# Altium PCB cPCIs_controller.pcbdoc (part 2 of 4)
Units mil, origin at the board's own origin, x right, y up, seen from the top; angles counter-clockwise.
Board outline 8662.94 x 3937.01 mil, 12 copper layers (Top Layer, L2GND, L3, L4GND, L5, L6GND, L7PWR, L8, L9GND, L10, L11GND, Bottom Layer), stack 81.88 mil thick; 84 components, 277 nets, 1195 pads, 138 vias.
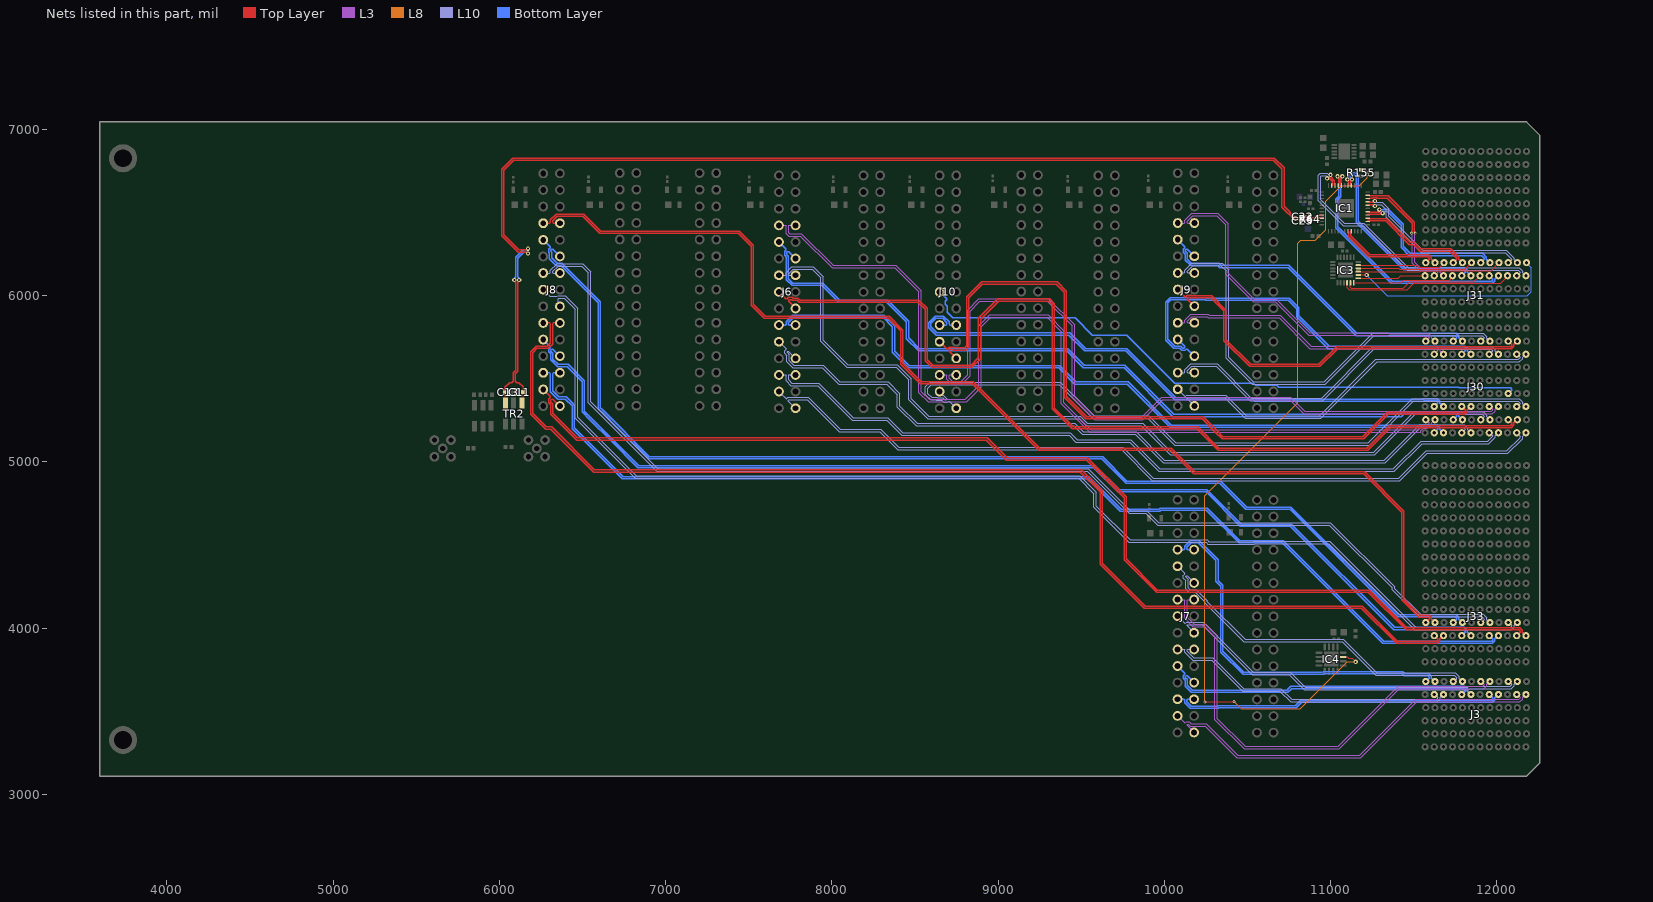
[diagram p12: the nets of this part, all layers, seen from the top]

## Part data
C1: library part CC0402_470NF_16V_10%_X5R, "Non-polarised capacitor", Case=0402, Manufacturer=GENERIC, Manufacturer1 ComponentHeight=0.55mm, Manufacturer1 Example=TDK, Manufacturer1 Part Number=C1005X5R1C105KT, Tolerance=±10%, Voltage=16V, Author="CERN DEM JLC", Component Type=Standard, CreateDate=25.10.2012, HelpURL=\\cern.ch\dfs\Applications\Altium\Datasheets\CC0402_X5R_TDK_C.pdf, LatestRevisionDate=25.10.2012, Manufacturer Part Number=CC0402_470NF_16V_10%_X5R, Mounted=Yes, Part Description="SMD Multilayer Chip Ceramic Capacitor", Part Number=CC0402_470NF_16V_10%_X5R, Pin Count=2, Sense=No, SMD=Yes, Socket=No, Status=Preferred, TC=X5R
C2: library part CC0603_4.7UF_16V_10%_X5R, "Non-polarised capacitor", Case=0603, Manufacturer=GENERIC, Manufacturer1 ComponentHeight=0.95mm, Manufacturer1 Example="TAIYO YUDEN", Manufacturer1 Part Number=EMK107ABJ475KA-T, Tolerance=±10%, Voltage=16V, Author="CERN DEM JLC", Component Type=Standard, CreateDate=16.12.2013, HelpURL=\\cern.ch\dfs\Applications\Altium\Datasheets\CC0603_X7R_TAIYO-YUDEN_HIGH-VALUE.pdf, LatestRevisionDate=16.09.2014, Manufacturer Part Number=CC0603_4.7UF_16V_10%_X5R, Mounted=Yes, Part Description="SMD Multilayer Chip Ceramic Capacitor", Part Number=CC0603_4.7UF_16V_10%_X5R, Pin Count=2, Sense=No, SMD=Yes, Socket=No, Status=None, TC=X5R
C3: library part CC0603_10UF_10V_10%_X5R, "Non-polarised capacitor", Case=0603, Manufacturer=GENERIC, Manufacturer1 ComponentHeight=0.8mm, Manufacturer1 Example=MURATA, Manufacturer1 Part Number=GRM188R61A106KE69D, Tolerance=±10%, Voltage=10V, Author="CERN DEM JLC", Component Type=Standard, CreateDate=31.01.2017, HelpURL=\\cern.ch\dfs\Applications\Altium\Datasheets\CC0603_MURATA_GRM188R61A106KE69D.pdf, LatestRevisionDate=31.01.2017, Manufacturer Part Number=CC0603_10UF_10V_10%_X5R, Mounted=Yes, Part Description="SMD Multilayer Chip Ceramic Capacitor", Part Number=CC0603_10UF_10V_10%_X5R, Pin Count=2, Sense=No, SMD=Yes, Socket=No, Status=None, TC=X5R
C4 C6 C14 C21 C22 C23 C30 C31 C32 C33 C34 C35 C36 C37 C39 C40 C41 C42 C55 C238 C239: library part CC0201_100NF_6.3V_10%_X5R, "Non-polarised capacitor", Case=0201, Manufacturer=GENERIC, Manufacturer1 ComponentHeight=0.33mm, Manufacturer1 Example=AVX, Manufacturer1 Part Number=02016D104KAT2A, Tolerance=±10%, Voltage=6.3V, Author="CERN DEM JLC", Component Type=Standard, HelpURL=\\cern.ch\dfs\Applications\Altium\Datasheets\CC0201_X5R_AVX.pdf, Manufacturer Part Number=CC0201_100NF_6.3V_10%_X5R, Mounted=Yes, Part Description="SMD Multilayer Chip Ceramic Capacitor", Part Number=CC0201_100NF_6.3V_10%_X5R, Pin Count=2, Sense=No, SMD=Yes, Socket=No, Status="Not Recommended", TC=X5R
  C4 C6 C14 C21 C22 C23 C55 C238 C239: CreateDate=03.12.2007, LatestRevisionDate=03.12.2007
  C30 C31 C32 C33 C34 C35 C36 C37 C39 C40 C41 C42: CreateDate=2007-12-03, LatestRevisionDate=2007-12-03
C5 C7 C62: library part CC0603_1UF_25V_10%_X7R, "Non-polarised capacitor", Case=0603, Manufacturer=GENERIC, Manufacturer1 ComponentHeight=0.9mm, Manufacturer1 Example=MURATA, Manufacturer1 Part Number=GRM188R71E105KA12D, Tolerance=±10%, Voltage=25V, Author="CERN DEM JLC", Component Type=Standard, CreateDate=18.01.2011, HelpURL=\\cern.ch\dfs\Applications\Altium\Datasheets\CC0603_X7R_MURATA.pdf, LatestRevisionDate=18.01.2011, Manufacturer Part Number=CC0603_1UF_25V_10%_X7R, Mounted=Yes, Part Description="SMD Multilayer Chip Ceramic Capacitor", Part Number=CC0603_1UF_25V_10%_X7R, Pin Count=2, Sense=No, SMD=Yes, Socket=No, Status=None, TC=X7R
C8 C10 C11 C13: library part CC0402_0.5PF_25V_0.05PF_AVX_04023J0R5ABSTR, "Non-polarised capacitor", Case=0402, Manufacturer=AVX, Manufacturer Part Number=04023J0R5ABSTR, Tolerance=±0.05pF, Voltage=25V, Author="CERN DEM JLC", Component Type=Standard, ComponentHeight=0.5mm, CreateDate=2017-02-22, HelpURL=\\cern.ch\dfs\Applications\Altium\Datasheets\CC0402_AVX_ACCU-P.pdf, LatestRevisionDate=2017-02-22, Mounted=Yes, Part Description="Thin-Film Chip Capacitors for RF Signal and Power Applications, Accu-P Series", Part Number=CC0402_0.5PF_25V_0.05PF_AVX_04023J0R5ABSTR, Pin Count=2, Sense=No, SMD=Yes, Socket=No, Status=None
C9 C12: library part CC0402_100NF_16V_10%_X5R, "Non-polarised capacitor", Case=0402, Manufacturer=GENERIC, Manufacturer1 ComponentHeight=0.55mm, Manufacturer1 Example=MURATA, Manufacturer1 Part Number=GRM155R61C104KA88D, Tolerance=±10%, Voltage=16V, Author="CERN DEM JLC", Component Type=Standard, CreateDate=10.12.2013, HelpURL=\\cern.ch\dfs\Applications\Altium\Datasheets\CC0402_X5R_MURATA_GRM.pdf, LatestRevisionDate=10.12.2013, Manufacturer Part Number=CC0402_100NF_16V_10%_X5R, Mounted=Yes, Part Description="SMD Multilayer Chip Ceramic Capacitor", Part Number=CC0402_100NF_16V_10%_X5R, Pin Count=2, Sense=No, SMD=Yes, Socket=No, Status=None, TC=X5R
C240: library part CC0402_100PF_50V_5%_C0G, "Non-polarised capacitor", Case=0402, Manufacturer=GENERIC, Manufacturer1 ComponentHeight=0.55mm, Manufacturer1 Example=KEMET, Manufacturer1 Part Number=C0402C101J5GACTU, Tolerance=±5%, Voltage=50V, Author="CERN DEM JLC", Component Type=Standard, CreateDate=03.12.2007, HelpURL="\\cern.ch\dfs\Applications\Altium\Datasheets\CC0805_C0G_KEMET_(Commercial Grade).pdf", LatestRevisionDate=22.04.2015, Manufacturer Part Number=CC0402_100PF_50V_5%_C0G, Mounted=Yes, Part Description="SMD Multilayer Chip Ceramic Capacitor", Part Number=CC0402_100PF_50V_5%_C0G, Pin Count=2, Sense=No, SMD=Yes, Socket=No, Status=Preferred, TC=C0G/NP0
D3 D4 D5 D6 D7 D8 D9 D10 D11 D12 D13 D14: "Ultra Low Capacitance Double Rail-to-Rail ESD Protection Diode", Case=SOT143B, Manufacturer="NXP SEMICONDUCTORS", Voltage=5.5V, Author="CERN DEM JLC", Bonding=No, ComponentHeight=1.1mm, Component Type=Standard, CreateDate=22.03.2011, Device=PRTR5V0U2X, HelpURL=\\cern.ch\dfs\Applications\Altium\Datasheets\PRTR5V0U2X.pdf, LatestRevisionDate=22.03.2011, Manufacturer Part Number=PRTR5V0U2X, Mounted=Yes, PackageDescription="SOT143B, SOT, 1.90mm Pitch; 4 Pin, 1.30mm W X 2.90mm L X 1.10mm H body, IPC Medium Density", Part Description="Ultra Low Capacitance (1pF) Double Rail-to-Rail ESD Protection Diode (8kV)", Part Number=PRTR5V0U2X, Pin Count=4, PressFit=No, Sense=No, SMD=Yes, Socket=No
IC1: library part CMP-0510-00356-1, "1:10 Low Jitter Universal Buffer / Level Translator with 2:1 Input Mux, 1 to 1250 MHz, -40 to 85 degC, 44-pin QFN", Frequency (MHz)="1 to 1250", Manufacturer="Silicon Labs", Code_IPC=J-STD-020, Code_JEDEC=MO-220, ComponentLink1Description="Manufacturer URL", ComponentLink1URL=http://www.silabs.com/, ComponentLink2Description=Datasheet, ComponentLink2URL=http://www.silabs.com/Support%20Documents/TechnicalDocs/Si53312.pdf, ComponentLink3Description="Package Specification", ComponentLink3URL=http://www.silabs.com/Support%20Documents/TechnicalDocs/Si53302.pdf, DatasheetVersion="Rev. 0.4", Mounting Technology="Surface Mount", Output Format="LVPECL; LVDS; CML; HCSL; LVCMOS", PackageDescription="44-Pin Quad-Flat No-Leads Package, Body 7 x 7 mm, Pitch 0.5 mm", PackageReference=QFN-44, PartNumber=Si53312-B-GM, Sub-Family="Clock Buffers"
IC2: "20V, 500mA, Ultralow Noise, Ultrahigh PSRR Linear Regulator", Case=SON10, Manufacturer="LINEAR TECHNOLOGY", Author="CERN DEM JLC", Bonding=No, Component Type=Standard, ComponentHeight=0.8mm, CreateDate=07.12.2016, Device=LT3045EDD#PBF, HelpURL=\\cern.ch\dfs\Applications\Altium\Datasheets\LT3045EDD#PBF.pdf, LatestRevisionDate=07.12.2016, Manufacturer Part Number=LT3045EDD#PBF, Mounted=Yes, PackageDescription="SON, 0.50mm Pitch; 10-pin, 3.00mm W  X 3.00mm L X 0.80mm H Body, (w/thermal tab 1.75 X 2.48 mm), IPC Medium Density", Part Description="20V, 500mA, Ultralow Noise, Ultrahigh PSRR Linear Regulator", Part Number=LT3045EDD#PBF, Pin Count=11, PressFit=No, Sense=No, SMD=Yes, Socket=No
IC3: "Low-Voltage 16-Bit I2C-bus I/O Port With Interrupt and Weak Pull-Up", Case=QFN24, Manufacturer="NXP SEMICONDUCTORS", Author="CERN DEM BC", Bonding=No, Component Type=Standard, ComponentHeight=0.8mm, CreateDate=24.07.2015, Device=PCA9555AHF, HelpURL=\\cern.ch\dfs\Applications\Altium\Datasheets\PCA9555AHF.pdf, LatestRevisionDate=24.07.2015, Manufacturer Part Number=PCA9555AHF, Mounted=Yes, PackageDescription="QFN, 0.50mm Pitch, Square; 24 Pin, 4.00mm L X 4.00mm W X 0.80mm H body (w/Thermal Tab 2.25 X 2.25mm), IPC Medium Density", Part Description="Low-Voltage 16-Bit I2C-bus I/O Port With Interrupt and Weak Pull-Up", Part Number=PCA9555AHF, Pin Count=25, PressFit=No, Sense=No, SMD=Yes, Socket=No
IC4: "8-Bit I2C-bus and SMBus I/O Port with Reset", Case=QFN16, Manufacturer="NXP SEMICONDUCTORS", Author="CERN DEM JMW", Bonding=No, Component Type=Standard, ComponentHeight=1mm, CreateDate=22.09.2015, Device=PCA9557BS, HelpURL=\\cern.ch\dfs\Applications\Altium\Datasheets\PCA9557BS.pdf, LatestRevisionDate=22.09.2015, Manufacturer Part Number=PCA9557BS, Mounted=Yes, PackageDescription="QFN, 0.65mm Pitch, Square; 16 Pin, 4.00mm L X 4.00mm W X 1.00mm H body (w/Thermal Tab 2.25 X 2.25mm), IPC Medium Density", Part Description="8-Bit I2C-bus and SMBus I/O Port with Reset", Part Number=PCA9557BS, Pin Count=17, PressFit=No, Sense=No, SMD=Yes, Socket=No
J1 J2: library part HUBER-SUHNER_85_MMCX-50-0-1/111_OE, Manufacturer=HUBER+SUHNER, Manufacturer Part Number=85_MMCX-50-0-1/111_OE, Author="CERN DEM JLC", Component Type=Standard, ComponentHeight=9.6mm, CreateDate=06.11.2014, Family=MMCX, HelpURL=\\cern.ch\dfs\Applications\Altium\Datasheets\HUBER-SUHNER_85_MMCX-50-0-1-111_OE.pdf, LatestRevisionDate=06.11.2014, Mounted=Yes, Part Description="MMCX 50 Ohms Right Angle PCB Jack", Part Number=HUBER-SUHNER_85_MMCX-50-0-1/111_OE, Pin Count=2, PressFit=No, Sense=No, SMD=No, Socket=No, Status=None
J3: library part AMPHENOL_10052825-101LF, "72 Contacts Header, 6 Columns, 4 Pairs per Column", Manufacturer=AMPHENOL, Manufacturer Part Number=10052825-101LF, Author="CERN DEM MR", ClassName=Overlapping, ComponentHeight=15.35mm, ComponentLink1Description=Application, ComponentLink1URL=\\cern.ch\dfs\Applications\Altium\Datasheets\AMPHENOL_10052825-101LF_Application.pdf, Component Type=Standard, CreateDate=19/02/2018, Family="AirMax VS", HelpURL=\\cern.ch\dfs\Applications\Altium\Datasheets\AMPHENOL_10052825-101LF.pdf, LatestRevisionDate=19/02/2018, Mounted=Yes, Part Description="72 Contacts, 2mm Pitch, 6 Columns, 4 Pairs per Column, 4 Walls, Right Angle Header", Part Number=AMPHENOL_10052825-101LF, Pin Count=72, PressFit=Yes, Sense=No, SMD=No, Socket=No, Status=None
J5: library part AMPHENOL_10052838-101LF, "96 Contacts Header, 8 Columns, 4 Pairs per Column", Manufacturer=AMPHENOL, Manufacturer Part Number=10052838-101LF, Author="CERN DEM MR", ClassName=Overlapping, ComponentHeight=15.35mm, ComponentLink1Description=Application, ComponentLink1URL=\\cern.ch\dfs\Applications\Altium\Datasheets\AMPHENOL_10052838-101LF_Application.pdf, Component Type=Standard, CreateDate=19/02/2018, Family="AirMax VS", HelpURL=\\cern.ch\dfs\Applications\Altium\Datasheets\AMPHENOL_10052838-101LF.pdf, LatestRevisionDate=19/02/2018, Mounted=Yes, Part Description="96 Contacts, 2mm Pitch, 8 Columns, 4 Pairs per Column, 4 Walls, Right Angle Header", Part Number=AMPHENOL_10052838-101LF, Pin Count=96, PressFit=Yes, Sense=No, SMD=No, Socket=No, Status=None
J6 J7 J8 J9 J10 J11 J12 J13 J14 J15 J16 J17: "Connector 2.54mm, 30 pin female, vertical, 7mm, AMPMODU HV-100/HV-190", Manufacturer="TYCO ELECTRONICS", Manufacturer Part Number=1-215307-5, Part Number=TYCO_1-215307-5, Author=GK, ComponentHeight=22.86mm, Component Type=Standard, CreateDate=05.10.2015, Family=AMPMODU, HelpURL=\\cern.ch\dfs\Applications\Altium\Datasheets\TYCO_3-1761606-1.pdf, LatestRevisionDate=05.10.2015, Mounted=Yes, Part Description="34 Contacts, Dual Row Vertical Low Profile IDC Shrouded Header, with Long Eject Latch", Pin Count=30, PressFit=No, Sense=No, SMD=No, Socket=No, Status=None
J29 J30 J33: library part AMPHENOL_10052837-101LF, "96 Contacts Header, 8 Columns, 4 Pairs per Column", Manufacturer=AMPHENOL, Manufacturer Part Number=10052837-101LF, Author="CERN DEM MR", ComponentHeight=15.35mm, ComponentLink1Description=Application, ComponentLink1URL=\\cern.ch\dfs\Applications\Altium\Datasheets\AMPHENOL_10052837-101LF_Application.pdf, Component Type=Standard, CreateDate=19/02/2018, Family="AirMax VS", HelpURL=\\cern.ch\dfs\Applications\Altium\Datasheets\AMPHENOL_10052837-101LF.pdf, LatestRevisionDate=19/02/2018, Mounted=Yes, Part Description="96 Contacts, 2mm Pitch, 8 Columns, 4 Pairs per Column, 2 Walls, Right Angle Header", Part Number=AMPHENOL_10052837-101LF, Pin Count=96, PressFit=Yes, Sense=No, SMD=No, Socket=No, Status=None
J31: library part AMPHENOL_10052824-101LF, "72 Contacts Header, 6 Columns, 4 Pairs per Column", Manufacturer=AMPHENOL, Manufacturer Part Number=10052824-101LF, Author="CERN DEM JMW", ComponentHeight=15.35mm, ComponentLink1Description=Application, ComponentLink1URL=\\cern.ch\dfs\Applications\Altium\Datasheets\AMPHENOL_10052824-101LF_Application.pdf, Component Type=Standard, CreateDate=29/11/2017, Family="AirMax VS", HelpURL=\\cern.ch\dfs\Applications\Altium\Datasheets\AMPHENOL_10052824-101LF.pdf, LatestRevisionDate=29/11/2017, Mounted=Yes, Part Description="72 Contacts, 2mm Pitch, 6 Columns, 4 Pairs per Column, 2 Walls, Right Angle Header", Part Number=AMPHENOL_10052824-101LF, Pin Count=72, PressFit=Yes, Sense=No, SMD=No, Socket=No, Status=None
L20: library part IND0603_MURATA_BLM18PG121SN1D, "Inductor", Case=0603, Manufacturer=MURATA, Manufacturer Part Number=BLM18PG121SN1D, Power=2A, Resistance=0.05R, Author="CERN DEM BC", Component Type=Standard, ComponentHeight=0.95mm, CreateDate=2015-07-27, HelpURL=\\cern.ch\dfs\Applications\Altium\Datasheets\IND0603_MURATA_BLM18P.pdf, LatestRevisionDate=2015-07-27, Mounted=Yes, Part Description="SMD EMIFIL Chip Ferrite Bead", Part Number=IND0603_MURATA_BLM18PG121SN1D, Pin Count=2, Sense=No, SMD=Yes, Socket=No, Status=None
R1: library part R0603_18K_1%_0.1W_100PPM, "Resistor - 1%", Case=0603, Manufacturer=GENERIC, Manufacturer1 ComponentHeight=0.55mm, Manufacturer1 Example="NIC COMPONENT", Manufacturer1 Part Number=NRC06F1802TRF, Power=0.1W, Tolerance=±1%, Author="CERN DEM JLC", Component Type=Standard, CreateDate=03.12.2007, HelpURL=\\cern.ch\dfs\Applications\Altium\Datasheets\R0603_NIC_NRC.pdf, LatestRevisionDate=13.03.2008, Manufacturer Part Number=R0603_18K_1%_0.1W_100PPM, Mounted=Yes, Part Description="General Purpose Thick Film Chip Resistor", Part Number=R0603_18K_1%_0.1W_100PPM, Pin Count=2, PressFit=No, Sense=No, SMD=Yes, Socket=No, Status=Preferred, TC=±100ppm/°C
R2: library part R0402_1K_1%_0.0625W_100PPM, "Resistor - 1%", Case=0402, Manufacturer=GENERIC, Manufacturer1 ComponentHeight=0.4mm, Manufacturer1 Example="YAGEO PHYCOMP", Manufacturer1 Part Number=232270671002L, Power=0.0625W, Tolerance=±1%, Author="CERN DEM JLC", Component Type=Standard, CreateDate=03.12.2007, HelpURL=\\cern.ch\dfs\Applications\Altium\Datasheets\R0402_Phycomp_RC0402.pdf, LatestRevisionDate=17.10.2012, Manufacturer Part Number=R0402_1K_1%_0.0625W_100PPM, Mounted=Yes, Part Description="General Purpose Thick Film Chip Resistor", Part Number=R0402_1K_1%_0.0625W_100PPM, Pin Count=2, PressFit=No, Sense=No, SMD=Yes, Socket=No, Status="Not Recommended", TC=±100ppm/°C
R3 R65 R86: library part R0402_10K_1%_0.0625W_100PPM, "Resistor - 1%", Case=0402, Manufacturer=GENERIC, Manufacturer1 ComponentHeight=0.4mm, Manufacturer1 Example="YAGEO PHYCOMP", Manufacturer1 Part Number=232270671003L, Power=0.0625W, Tolerance=±1%, Author="CERN DEM JLC", Component Type=Standard, CreateDate=03.12.2007, HelpURL=\\cern.ch\dfs\Applications\Altium\Datasheets\R0402_Phycomp_RC0402.pdf, LatestRevisionDate=17.10.2012, Manufacturer Part Number=R0402_10K_1%_0.0625W_100PPM, Mounted=Yes, Part Description="General Purpose Thick Film Chip Resistor", Part Number=R0402_10K_1%_0.0625W_100PPM, Pin Count=2, Sense=No, SMD=Yes, Socket=No, Status="Not recommended", TC=±100ppm/°C
R6 R64: library part R0402_100R_1%_0.0625W_100PPM, "Resistor - 1%", Case=0402, Manufacturer=GENERIC, Manufacturer1 ComponentHeight=0.4mm, Manufacturer1 Example="YAGEO PHYCOMP", Manufacturer1 Part Number=232270671001L, Power=0.0625W, Tolerance=±1%, Author="CERN DEM JLC", Component Type=Standard, CreateDate=03.12.2007, HelpURL=\\cern.ch\dfs\Applications\Altium\Datasheets\R0402_Phycomp_RC0402.pdf, LatestRevisionDate=17.10.2012, Manufacturer Part Number=R0402_100R_1%_0.0625W_100PPM, Mounted=Yes, Part Description="General Purpose Thick Film Chip Resistor", Part Number=R0402_100R_1%_0.0625W_100PPM, Pin Count=2, PressFit=No, Sense=No, SMD=Yes, Socket=No, Status="Not Recommended", TC=±100ppm/°C
R66 R103: library part R0603_0R_JUMPER, "Resistor", Case=0603, Manufacturer=GENERIC, Manufacturer1 ComponentHeight=0.55mm, Manufacturer1 Example="NIC COMPONENT", Manufacturer1 Part Number=NRC06Z0, Author="CERN DEM JLC", Component Type=Standard, CreateDate=03.12.2007, HelpURL=\\cern.ch\dfs\Applications\Altium\Datasheets\R0603_NIC_NRC.pdf, LatestRevisionDate=13.03.2008, Manufacturer Part Number=R0603_0R_JUMPER, Mounted=Yes, Part Description="1A (0.05R Max DC Resistance) Zero Ohm Jumper", Part Number=R0603_0R_JUMPER, Pin Count=2, Sense=No, SMD=Yes, Socket=No, Status=Preferred
R154 R155: library part R0402_470R_1%_0.0625W_100PPM, "Resistor - 1%", Case=0402, Manufacturer=GENERIC, Manufacturer1 ComponentHeight=0.4mm, Manufacturer1 Example="YAGEO PHYCOMP", Manufacturer1 Part Number=232270674701L, Power=0.0625W, Tolerance=±1%, Author="CERN DEM JLC", Component Type=Standard, CreateDate=03.12.2007, HelpURL=\\cern.ch\dfs\Applications\Altium\Datasheets\R0402_Phycomp_RC0402.pdf, LatestRevisionDate=17.10.2012, Manufacturer Part Number=R0402_470R_1%_0.0625W_100PPM, Mounted=Yes, Part Description="General Purpose Thick Film Chip Resistor", Part Number=R0402_470R_1%_0.0625W_100PPM, Pin Count=2, PressFit=No, Sense=No, SMD=Yes, Socket=No, Status="Not Recommended", TC=±100ppm/°C
TR1 TR2: library part XFMR_MINI-CIRCUITS_TCM2-43X+, "50 OHMS 10 to 4000 MHz RF Transformer", Manufacturer=MINI-CIRCUITS, Manufacturer Part Number=TCM2-43X+, Power=0.4W, Author="CERN DEM BC", Component Type=Standard, ComponentHeight=4.06mm, CreateDate=2016-02-12, HelpURL=\\cern.ch\dfs\Applications\Altium\Datasheets\XFMR_MINI-CIRCUITS_TCM2-43X+.pdf, LatestRevisionDate=2016-02-12, Mounted=Yes, Part Description="50 Ohms 10 to 4000MHz RF Transformer", Part Number=XFMR_MINI-CIRCUITS_TCM2-43X+, Pin Count=6, Sense=No, SMD=Yes, Socket=No, Status=None

## Free pads (board coordinates)
  round 137.8 on Mech9: 1(3500.98,2718.9) 1(12359.84,2718.9)
  round 78.74 on Mech9: 1(3894.68,2718.9) 1(11966.14,2718.9) 1(11966.14,7435.43)
  round 31.5 on Mech9: 1(3969.49,3108.66) 1(3969.49,7045.28) 1(4018.7,3108.66) 1(4018.7,7045.28) 1(4067.91,3108.66) 1(4067.91,7045.28) 1(4117.13,3108.66) 1(4117.13,7045.28) 1(4166.34,3108.66) 1(4166.34,7045.28) 1(6134.84,3108.66) 1(6134.84,7045.67) 1(6184.06,3108.66) 1(6184.06,7045.67) 1(6233.27,3108.66) 1(6233.27,7045.67) 1(6282.48,3108.66) 1(6282.48,7045.67) 1(6331.69,3108.66) 1(6331.69,7045.67) 1(8300.2,3108.66) 1(8300.2,7045.67) 1(8349.41,3108.66) 1(8349.41,7045.67) 1(8398.62,3108.66) 1(8398.62,7045.67) 1(8447.83,3108.66) 1(8447.83,7045.67) 1(8497.05,3108.66) 1(8497.05,7045.67) 1(10465.55,3108.66) 1(10465.55,7045.67) 1(10514.76,3108.66) 1(10514.76,7045.67) 1(10563.98,3108.66) 1(10563.98,7045.67) 1(10613.19,3108.66) 1(10613.19,7045.67) 1(10662.4,3108.66) 1(10662.4,7045.67)
  round 169.29 hole 106.3: P13(3736.02,3326.77) P13(3736.02,6826.77)

## Via types
v1: diameter 25.59, hole 11.81, Top Layer to Bottom Layer, tented both sides, 116 vias
v2: diameter 17.72, hole 7.87, Top Layer to Bottom Layer, tented both sides, 18 vias
v3: diameter 19.68, hole 7.87, Top Layer to Bottom Layer, tented both sides, 4 vias

## Nets (pads, with @x,y where several pads share a name; then routed paths per layer and width w, separated by ;. In a path a pad name is that pad's centre, name@x,y a point inside that pad or via, vN(x,y) a via of type N, cw(c..) or ccw(c..) an arc to the next point about the centre after c; other vN are vias at no path point)
1_PE_CLK_N: IC1.9 J31.B5 | length 1739
  Top Layer w8: v1(11000.9,6726.9) 10999.19,6725.19 10999.19,6717.19 11023.81,6692.58 11023.81,6666.19 IC1.9@11027.15,6662.85
  L10 w5: v1(11000.9,6726.9) 10990.9,6726.9 10980.8,6737 10938,6737 10926,6725 10926,6569.79 11075.79,6420 11195.21,6420 11462.21,6153 12128.93,6153 12140.68,6141.25 12140.68,6137.11 12123.65,6120.08 J31.B5@12120.62,6120.08
1_PE_CLK_P: IC1.10 J31.A5 | length 1691
  Top Layer w8: v1(10980.3,6706.3) 10982,6708 10990,6708 11010.81,6687.19 11010.81,6666.19 IC1.10@11007.46,6662.85
  L10 w5: v1(10980.3,6706.3) 10980.3,6716.29 10974.59,6722 10944.21,6722 10941,6718.79 10941,6576 11082,6435 11201.43,6435 11468.43,6168 12135.14,6168 12155.68,6147.46 12155.68,6137.11 12172.71,6120.08 J31.A5@12175.74,6120.08
1_PE_CLKE#: IC3.10 J31.C5 | length 1037.7
  Top Layer w5: IC3.10@11100.84,6077.23 11100.84,6046.16 11112,6035 11375,6035 11462,6035 11501,6074 12023,6074 12065.5,6116.5 J31.C5@12065.5,6120.08
2_PE_CLK_N: IC1.7 J31.E5 | length 1481.1
  Top Layer w8: IC1.7@11066.52,6662.85 11063.18,6666.19 11063.18,6709.93 v1(11071.24,6718)
  Bottom Layer w8: v1(11071.24,6718) 11063.18,6709.93 11063.18,6593.79 11045,6575.62 11045,6413.15 11371.72,6086.42 11969.21,6086.42 11976.32,6093.54 11976.32,6100.17 11956.42,6120.08 J31.E5@11955.27,6120.08
2_PE_CLK_P: IC1.8 J31.D5 | length 1524.2
  Top Layer w8: v1(11042.11,6718) 11050.18,6709.93 11050.18,6666.19 IC1.8@11046.83,6662.85
  Bottom Layer w8: v1(11042.11,6718) 11050.18,6709.93 11050.18,6599.18 11032,6581 11032,6407.76 11366.34,6073.42 11974.59,6073.42 11989.32,6088.16 11989.32,6100.17 12009.23,6120.08 J31.D5@12010.38,6120.08
2_PE_CLKE#: IC3.11 J31.F5 | length 838.5
  Top Layer w5: IC3.11@11120.53,6077.23 11120.53,6050.47 11125,6046 11439,6046 11476.46,6083.46 11863.53,6083.46 11897.07,6117 J31.F5@11901,6117
3_PE_CLK_N: IC1.4 J31.H5 | length 1192.9
  Top Layer w8: IC1.4@11125.57,6662.85 11122.23,6666.19 11122.23,6691.93 v1(11130.3,6700)
  Bottom Layer w8: v1(11130.3,6700) 11122.23,6708.07 11122.23,6718 11130.23,6726 11146.66,6726 11154.66,6718 11154.66,6441.95 11440.62,6156 11801.58,6156 11810.97,6146.61 11810.97,6139.98 11791.06,6120.08 J31.H5@11789.91,6120.08
3_PE_CLK_P: IC1.5 J31.G5 | length 1236
  Top Layer w8: v1(11101.17,6700) 11109.23,6691.93 11109.23,6666.19 IC1.5@11105.89,6662.85
  Bottom Layer w8: v1(11101.17,6700) 11109.23,6708.07 11109.23,6723.38 11124.85,6739 11152.05,6739 11167.66,6723.38 11167.66,6447.34 11446,6169 11806.97,6169 11823.97,6152 11823.97,6139.98 11843.88,6120.08 J31.G5@11845.03,6120.08
3_PE_CLKE#: IC3.12 J31.I5 | length 612
  Top Layer w5: IC3.12@11140.21,6077.23 11425.23,6077.23 11440,6092 11715,6092 J31.I5@11737,6114
4_PE_CLK_N: IC1.42 J31.K5 | length 776.5
  Top Layer w8: IC1.42@11224,6584.11 11233.72,6584.11 11237.06,6587.45 11255.19,6587.45 11257.23,6589.49 11275.42,6589.49 11277.46,6587.45 11341.55,6587.45 11492.32,6436.68 11492.32,6386.91 11490.05,6384.64
  L3 w5: v2(11488.19,6375.83) 11490.63,6373.4 11490.63,6367.24 11491.32,6366.55 11491.32,6193.79 11535.88,6149.23 11636.63,6149.23 11644.62,6141.25 11644.62,6137.11 11627.59,6120.08 J31.K5@11624.56,6120.08
4_PE_CLK_P: IC1.43 J31.J5 | length 798
  Top Layer w8: IC1.43@11224,6603.8 11233.72,6603.8 11237.06,6600.45 11249.81,6600.45 11251.85,6602.49 11280.81,6602.49 11282.84,6600.45 11346.93,6600.45 11505.32,6442.06 11505.32,6386.91 11507.59,6384.64
  L3 w5: v2(11509.45,6375.83) 11507.02,6373.4 11507.02,6367.24 11506.32,6366.55 11506.32,6200 11542.09,6164.23 11642.85,6164.23 11659.62,6147.46 11659.62,6137.11 11676.64,6120.08 J31.J5@11679.67,6120.08
4_PE_CLKE#: IC3.13 J31.L5 | length 410.9
  Top Layer w5: IC3.13@11167.77,6104.79 11406.79,6104.79 11423,6121 J31.L5@11572,6121
5_PE_CLK_N: IC1.40 J31.C6 | length 1066.4
  Top Layer w8: IC1.40@11224,6544.74 11227.34,6548.08 11258.93,6548.08 v1(11267,6540.02)
  L10 w5: v1(11267,6540.02) 11274.07,6547.08 11306,6547.08 11337,6516.08 11337,6470.79 11549.79,6258 12051.49,6258 12089.5,6219.99 12089.5,6215.85 12072.47,6198.82 J31.C6@12069.44,6198.82
5_PE_CLK_P: IC1.41 J31.B6 | length 1091.3
  Top Layer w8: IC1.41@11224,6564.43 11227.34,6561.08 11258.93,6561.08 v1(11267,6569.15)
  L10 w5: v1(11267,6569.15) 11274.07,6562.08 11312.21,6562.08 11352,6522.3 11352,6477 11556,6273 12057.7,6273 12104.5,6226.2 12104.5,6215.85 12121.53,6198.82 J31.B6@12124.56,6198.82
5_PE_CLKE#: IC3.14 J31.A6 | length 1283.3
  Top Layer w5: IC3.14@11167.77,6124.47 11217.53,6124.47 v1(11218,6124)
  Bottom Layer w5: v1(11218,6124) 11342,6000 12184,6000 12209,6025 12209,6167 J31.A6@12182,6194
6_PE_CLK_N: IC1.37 J31.F6 | length 945.6
  Top Layer w8: IC1.37@11224,6485.69 11227.34,6489.03 11295.41,6489.03 11307.19,6500.81 11310.19,6500.81 v1(11314.4,6496.6)
  Bottom Layer w8: v1(11314.4,6496.6) 11325.79,6508 11342,6508 11425,6425 11425,6290.62 11474.62,6241 11909.5,6241 11925.14,6225.35 11925.14,6218.72 11905.24,6198.82 J31.F6@11904.08,6198.82
6_PE_CLK_P: IC1.38 J31.E6 | length 973.8
  Top Layer w8: IC1.38@11224,6505.37 11227.34,6502.03 11290.03,6502.03 11298,6510 11298,6513 v1(11293.8,6517.2)
  Bottom Layer w8: v1(11293.8,6517.2) 11316.61,6517.2 11320.41,6521 11347.38,6521 11438,6430.38 11438,6296 11480,6254 11914.88,6254 11938.14,6230.74 11938.14,6218.72 11958.05,6198.82 J31.E6@11959.2,6198.82
6_PE_CLKE#: IC3.15 J31.D6 | length 867.1
  Top Layer w5: IC3.15@11167.77,6144.16 11536.16,6144.16 11542,6150 11966,6150 J31.D6@12013,6197
7_PE_CLK_N: IC1.35 J31.I6 | length 666
  Top Layer w8: IC1.35@11224,6446.31 11227.34,6449.66 11331.96,6449.66 11474.3,6307.31 11499.3,6307.31 11503.81,6302.81 11538.62,6268 11717.14,6268 11759.79,6225.35 11759.79,6218.72 11739.88,6198.82 J31.I6@11738.73,6198.82
7_PE_CLK_P: IC1.36 J31.H6 | length 687.6
  Top Layer w8: IC1.36@11224,6466 11227.34,6462.66 11337.34,6462.66 11479.69,6320.31 11504.69,6320.31 11544,6281 11722.53,6281 11772.79,6230.74 11772.79,6218.72 11792.7,6198.82 J31.H6@11793.85,6198.82
7_PE_CLKE#: IC3.16 J31.G6 | length 700
  Top Layer w5: IC3.16@11167.77,6163.84 11411.99,6163.84 11416.83,6159 11809.15,6159 J31.G6@11849.15,6199
8_PE_CLK_N: IC1.29 J31.L6 | length 608.1
  Top Layer w8: IC1.29@11105.89,6387.26 11109.23,6383.92 11109.23,6355.62 11230.85,6234 11585.79,6234 11594.43,6225.35 11594.43,6218.72 11574.53,6198.82 J31.L6@11573.38,6198.82